# Altium PCB XTIDA-010086.PcbDoc (part 12 of 17)
Units mm, origin at the board's own origin, x right, y up, seen from the top; angles counter-clockwise.
Board outline 375 x 210 mm, 6 copper layers (Top Layer, GND Layer, Signal Layer 1, Signal Layer 2, Power Layer, Bottom Layer), stack 1.575 mm thick; 1884 components, 1036 nets, 4948 pads, 6791 vias.
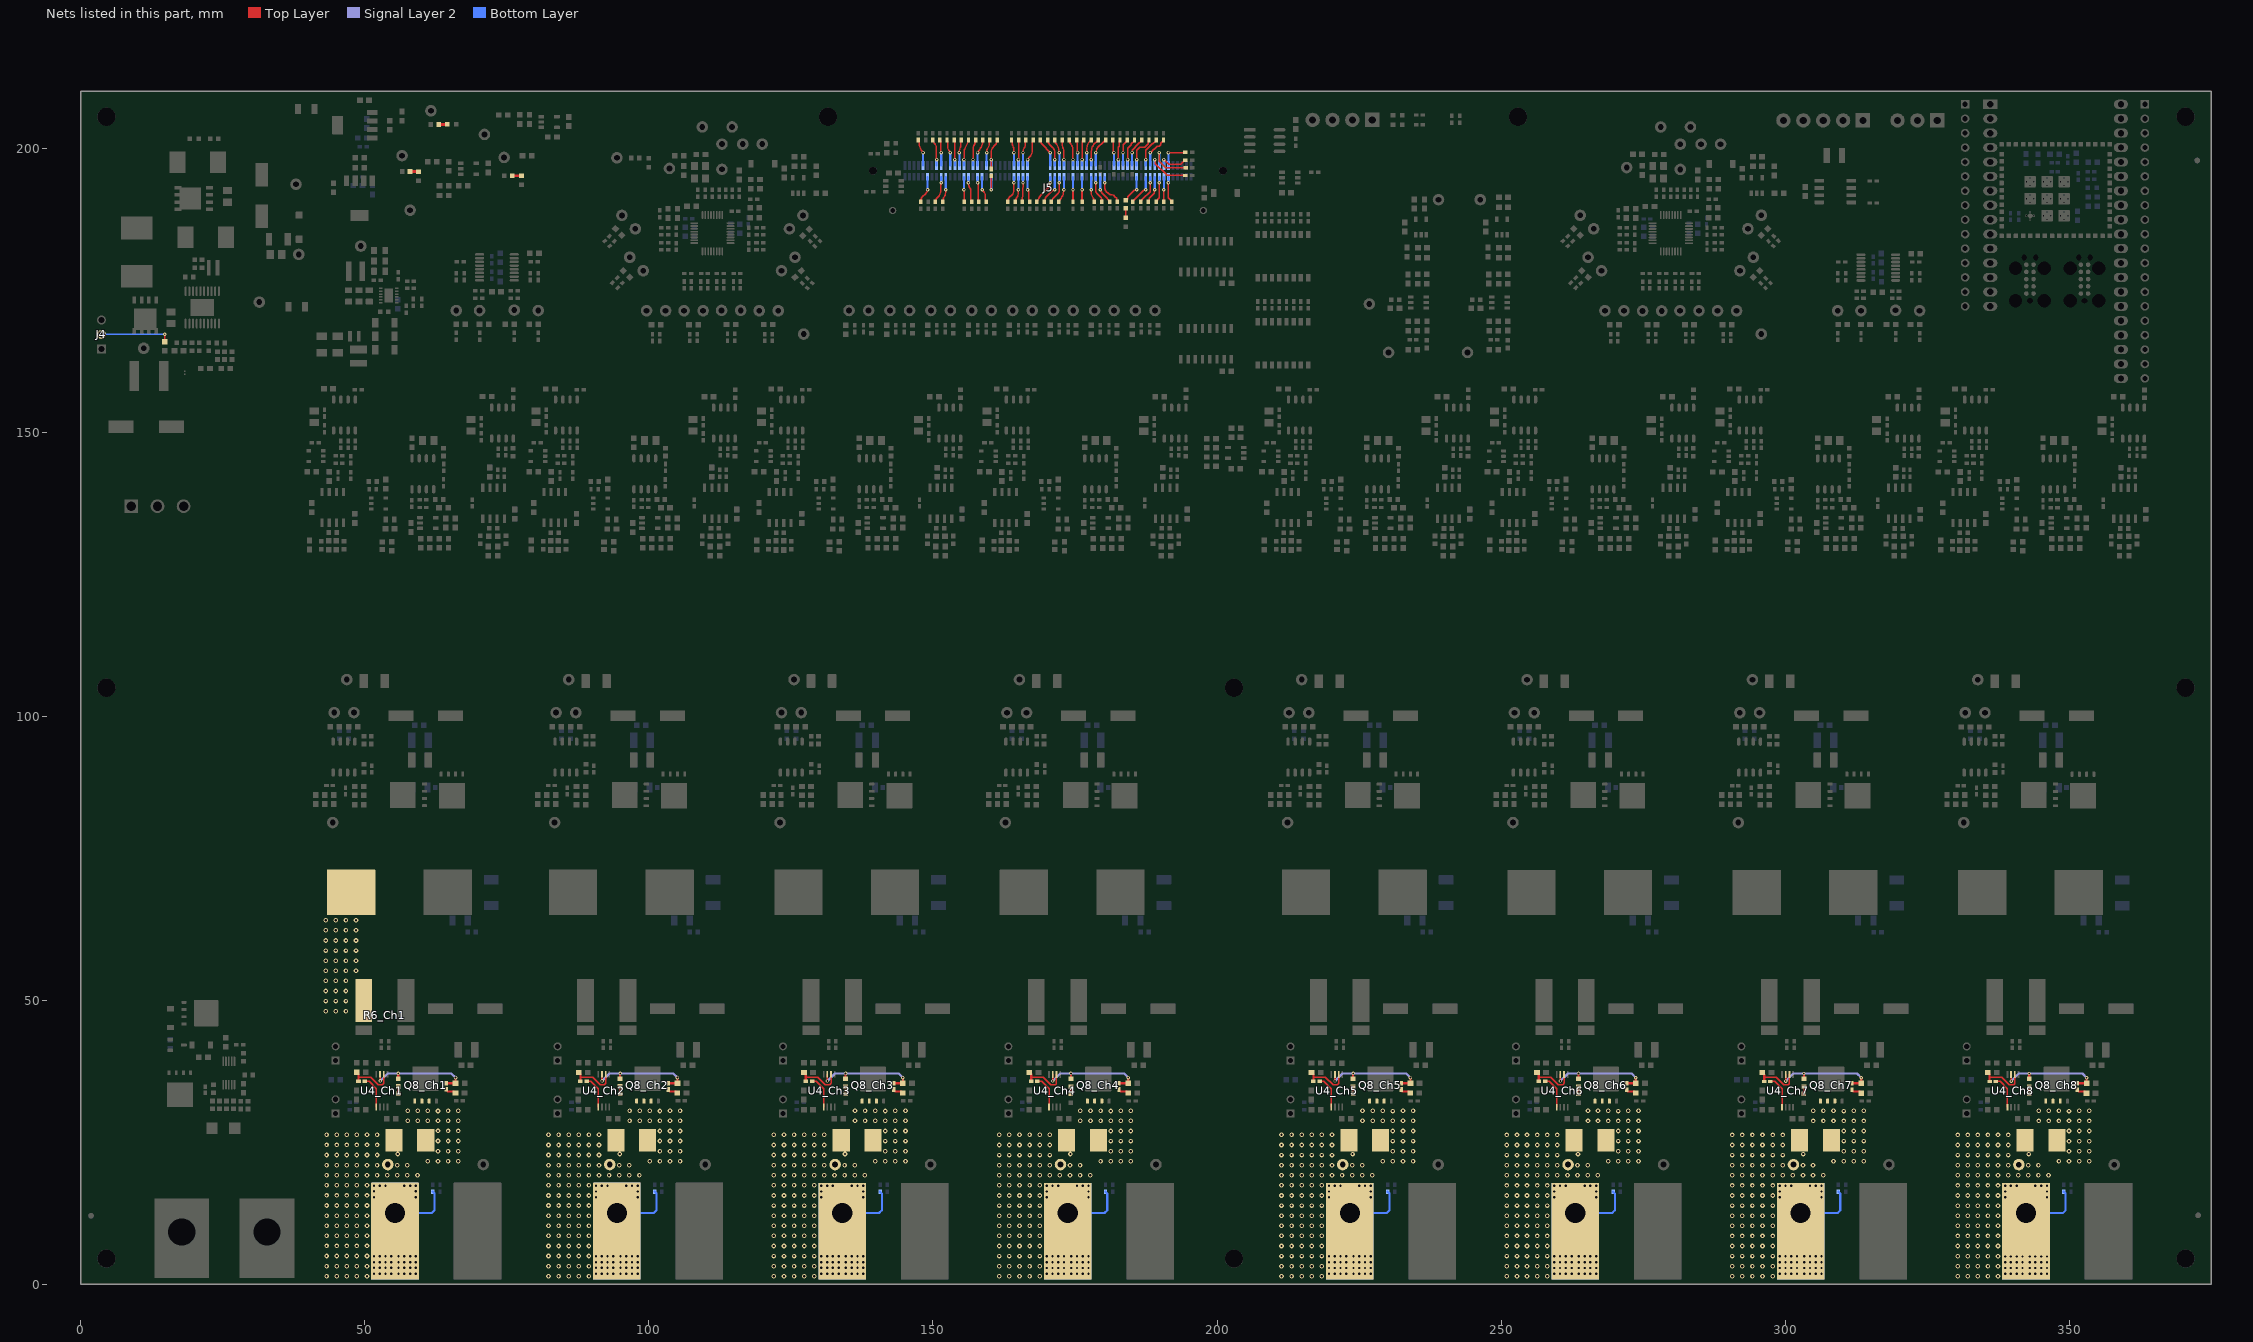
[diagram p16: the nets of this part, all layers, seen from the top]

## Via types
v1: diameter 0.813, hole 0.4, Top Layer to Bottom Layer, tented both sides, 4738 vias
v2: diameter 0.61, hole 0.3, Top Layer to Bottom Layer, tented both sides, 1254 vias
v3: diameter 0.813, hole 0.406, Top Layer to Bottom Layer, 728 vias
v4: diameter 0.5, hole 0.2, Top Layer to Bottom Layer, 40 vias
v5: diameter 5.45, hole 3.556, Top Layer to Bottom Layer, 16 vias
v6: diameter 5/3.65/3.65/3.65/3.65/5 (per signal layer), hole 3.2, Top Layer to Bottom Layer, 12 vias
v7: diameter 0.813, hole 0.4, Top Layer to Bottom Layer, 3 vias

## Nets (pads, with @x,y where several pads share a name; then routed paths per layer and width w, separated by ;. In a path a pad name is that pad's centre, name@x,y a point inside that pad or via, vN(x,y) a via of type N, cw(c..) or ccw(c..) an arc to the next point about the centre after c; other vN are vias at no path point) (continued)
NetD15_2: D15.2 R180.2 | length 1.7
  Top Layer w0.508: R180.2@75.909,195.109 D15.2@77.569,195.109 D15.2@77.582,195.096
NetD17_2: D17.2 R182.2 | length 1.5
  Top Layer w0.508: R182.2@57.94,195.848 D17.2@59.438,195.848
NetD18_2: D18.2 R183.2 | length 1.5
  Top Layer w0.508: R183.2@63.006,204.14 64.463,204.14 D18.2@64.478,204.155
NetD33_2: D33.2 R59.2 | length 1.7
  Top Layer w0.254: D33.2@183.947,187.719 R59.2@183.947,189.394
NetD34_Ch1_1: D34_Ch1.1 R46_Ch1.1 U4_Ch1.6 | length 8.4
  Top Layer w0.254: 48.878,36.322 48.967,36.411 51.006,36.411 52.336,35.08 52.933,35.08 ccw(c52.933,35.465) 53.318,35.465 U4_Ch1.6@53.318,36.927
  Top Layer w0.381: R46_Ch1.1@48.554,37.272 48.878,36.947 48.878,36.322 D34_Ch1.1@48.878,35.697
NetD34_Ch1_2: D34_Ch1.2 U4_Ch1.1 | length 5.8
  Top Layer w0.254: D34_Ch1.2@49.978,35.697 50.732,35.697 52.018,34.411 U4_Ch1.1@52.018,31.186
NetD34_Ch2_1: D34_Ch2.1 R46_Ch2.1 U4_Ch2.6 | length 8.4
  Top Layer w0.254: 87.944,36.32 88.033,36.409 90.071,36.409 91.402,35.078 91.998,35.078 ccw(c91.998,35.463) 92.383,35.463 U4_Ch2.6@92.383,36.925
  Top Layer w0.381: R46_Ch2.1@87.619,37.27 87.944,36.945 87.944,36.32 D34_Ch2.1@87.944,35.695
NetD34_Ch2_2: D34_Ch2.2 U4_Ch2.1 | length 5.8
  Top Layer w0.254: D34_Ch2.2@89.044,35.695 89.797,35.695 91.083,34.409 U4_Ch2.1@91.083,31.184
NetD34_Ch3_1: D34_Ch3.1 R46_Ch3.1 U4_Ch3.6 | length 8.4
  Top Layer w0.254: 127.618,36.318 127.707,36.407 129.746,36.407 131.076,35.076 131.673,35.076 ccw(c131.673,35.461) 132.058,35.461 U4_Ch3.6@132.058,36.923
  Top Layer w0.381: R46_Ch3.1@127.294,37.268 127.618,36.943 127.618,36.318 D34_Ch3.1@127.619,35.693
NetD34_Ch3_2: D34_Ch3.2 U4_Ch3.1 | length 5.8
  Top Layer w0.254: D34_Ch3.2@128.719,35.693 129.472,35.693 130.758,34.407 U4_Ch3.1@130.758,31.182
NetD34_Ch4_1: D34_Ch4.1 R46_Ch4.1 U4_Ch4.6 | length 8.4
  Top Layer w0.254: 167.293,36.316 167.382,36.405 169.421,36.405 170.751,35.074 171.348,35.074 ccw(c171.348,35.459) 171.733,35.459 U4_Ch4.6@171.733,36.921
  Top Layer w0.381: R46_Ch4.1@166.969,37.266 167.293,36.941 167.293,36.316 D34_Ch4.1@167.294,35.691
NetD34_Ch4_2: D34_Ch4.2 U4_Ch4.1 | length 5.8
  Top Layer w0.254: D34_Ch4.2@168.394,35.691 169.147,35.691 170.433,34.405 U4_Ch4.1@170.433,31.18
NetD34_Ch5_1: D34_Ch5.1 R46_Ch5.1 U4_Ch5.6 | length 8.4
  Top Layer w0.254: 216.968,36.314 217.057,36.403 219.096,36.403 220.426,35.072 221.023,35.072 ccw(c221.023,35.457) 221.407,35.457 U4_Ch5.6@221.407,36.919
  Top Layer w0.381: R46_Ch5.1@216.643,37.264 216.968,36.939 216.968,36.314 D34_Ch5.1@216.968,35.689
NetD34_Ch5_2: D34_Ch5.2 U4_Ch5.1 | length 5.8
  Top Layer w0.254: D34_Ch5.2@218.068,35.689 218.821,35.689 220.107,34.403 U4_Ch5.1@220.107,31.178
NetD34_Ch6_1: D34_Ch6.1 R46_Ch6.1 U4_Ch6.6 | length 8.4
  Top Layer w0.254: 256.643,36.312 256.732,36.401 258.77,36.401 260.101,35.07 260.698,35.07 ccw(c260.698,35.455) 261.082,35.455 U4_Ch6.6@261.082,36.917
  Top Layer w0.381: R46_Ch6.1@256.318,37.262 256.643,36.937 256.643,36.312 D34_Ch6.1@256.643,35.687
NetD34_Ch6_2: D34_Ch6.2 U4_Ch6.1 | length 5.8
  Top Layer w0.254: D34_Ch6.2@257.743,35.687 258.496,35.687 259.782,34.401 U4_Ch6.1@259.782,31.176
NetD34_Ch7_1: D34_Ch7.1 R46_Ch7.1 U4_Ch7.6 | length 8.4
  Top Layer w0.254: 296.318,36.31 296.407,36.399 298.445,36.399 299.776,35.068 300.372,35.068 ccw(c300.372,35.453) 300.757,35.453 U4_Ch7.6@300.757,36.915
  Top Layer w0.381: R46_Ch7.1@295.993,37.26 296.318,36.935 296.318,36.31 D34_Ch7.1@296.318,35.685
NetD34_Ch7_2: D34_Ch7.2 U4_Ch7.1 | length 5.8
  Top Layer w0.254: D34_Ch7.2@297.418,35.685 298.171,35.685 299.457,34.399 U4_Ch7.1@299.457,31.174
NetD34_Ch8_1: D34_Ch8.1 R46_Ch8.1 U4_Ch8.6 | length 8.4
  Top Layer w0.254: 335.992,36.308 336.081,36.397 338.12,36.397 339.45,35.066 340.047,35.066 ccw(c340.047,35.451) 340.432,35.451 U4_Ch8.6@340.432,36.913
  Top Layer w0.381: R46_Ch8.1@335.668,37.258 335.992,36.933 335.992,36.308 D34_Ch8.1@335.993,35.683
NetD34_Ch8_2: D34_Ch8.2 U4_Ch8.1 | length 5.8
  Top Layer w0.254: D34_Ch8.2@337.093,35.683 337.846,35.683 339.132,34.397 U4_Ch8.1@339.132,31.172
NetD35_Ch1_1: D35_Ch1.1 R62_Ch1.2 R76_Ch1.1 U4_Ch1.7 | length 18.8
  Top Layer w0.254: U4_Ch1.7@52.668,36.927 52.664,36.922 52.664,35.791 v2(52.682,35.772)
  Top Layer w0.381: R76_Ch1.1@55.867,36.195 v2(55.867,37.1) ; D35_Ch1.1@64.338,35.373 64.344,35.379 65.957,35.379 R62_Ch1.2@65.962,35.384 65.957,35.39 v2(65.957,36.373)
  Signal Layer 2 w0.381: v2(52.682,35.772) 54.01,37.1 v2(55.867,37.1) 65.23,37.1 v2(65.957,36.373)
NetD35_Ch1_2: D35_Ch1.2 R75_Ch1.1 | length 1.9
  Top Layer w0.381: D35_Ch1.2@64.338,34.273 64.338,34.173 64.572,33.939 65.654,33.939 R75_Ch1.1@65.938,33.655
NetD35_Ch2_1: D35_Ch2.1 R62_Ch2.2 R76_Ch2.1 U4_Ch2.7 | length 18.8
  Top Layer w0.254: U4_Ch2.7@91.733,36.925 91.729,36.92 91.729,35.789 v2(91.747,35.77)
  Top Layer w0.381: R76_Ch2.1@94.932,36.193 v2(94.932,37.098) ; D35_Ch2.1@103.403,35.371 103.409,35.377 105.022,35.377 R62_Ch2.2@105.027,35.382 105.022,35.388 v2(105.022,36.371)
  Signal Layer 2 w0.381: v2(91.747,35.77) 93.075,37.098 v2(94.932,37.098) 104.295,37.098 v2(105.022,36.371)
NetD35_Ch2_2: D35_Ch2.2 R75_Ch2.1 | length 1.9
  Top Layer w0.381: D35_Ch2.2@103.403,34.271 103.403,34.171 103.637,33.937 104.719,33.937 R75_Ch2.1@105.004,33.653
NetD35_Ch3_1: D35_Ch3.1 R62_Ch3.2 R76_Ch3.1 U4_Ch3.7 | length 18.8
  Top Layer w0.254: U4_Ch3.7@131.408,36.923 131.404,36.918 131.404,35.787 v2(131.422,35.768)
  Top Layer w0.381: R76_Ch3.1@134.607,36.191 v2(134.607,37.096) ; D35_Ch3.1@143.078,35.369 143.084,35.375 144.697,35.375 R62_Ch3.2@144.702,35.38 144.697,35.386 v2(144.697,36.369)
  Signal Layer 2 w0.381: v2(131.422,35.768) 132.75,37.096 v2(134.607,37.096) 143.97,37.096 v2(144.697,36.369)
NetD35_Ch3_2: D35_Ch3.2 R75_Ch3.1 | length 1.9
  Top Layer w0.381: D35_Ch3.2@143.078,34.269 143.078,34.169 143.312,33.935 144.394,33.935 R75_Ch3.1@144.678,33.651
NetD35_Ch4_1: D35_Ch4.1 R62_Ch4.2 R76_Ch4.1 U4_Ch4.7 | length 18.8
  Top Layer w0.254: U4_Ch4.7@171.083,36.921 171.078,36.916 171.078,35.785 v2(171.097,35.766)
  Top Layer w0.381: R76_Ch4.1@174.282,36.189 v2(174.282,37.094) ; D35_Ch4.1@182.753,35.367 182.758,35.373 184.371,35.373 R62_Ch4.2@184.377,35.378 184.371,35.384 v2(184.371,36.367)
  Signal Layer 2 w0.381: v2(171.097,35.766) 172.425,37.094 v2(174.282,37.094) 183.644,37.094 v2(184.371,36.367)
NetD35_Ch4_2: D35_Ch4.2 R75_Ch4.1 | length 1.9
  Top Layer w0.381: D35_Ch4.2@182.753,34.267 182.753,34.167 182.987,33.934 184.069,33.934 R75_Ch4.1@184.353,33.649
NetD35_Ch5_1: D35_Ch5.1 R62_Ch5.2 R76_Ch5.1 U4_Ch5.7 | length 18.8
  Top Layer w0.254: U4_Ch5.7@220.757,36.919 220.753,36.914 220.753,35.783 v2(220.772,35.764)
  Top Layer w0.381: R76_Ch5.1@223.957,36.187 v2(223.957,37.092) ; D35_Ch5.1@232.428,35.365 232.433,35.371 234.046,35.371 R62_Ch5.2@234.052,35.376 234.046,35.382 v2(234.046,36.365)
  Signal Layer 2 w0.381: v2(220.772,35.764) 222.099,37.092 v2(223.957,37.092) 233.319,37.092 v2(234.046,36.365)
NetD35_Ch5_2: D35_Ch5.2 R75_Ch5.1 | length 1.9
  Top Layer w0.381: D35_Ch5.2@232.428,34.265 232.428,34.165 232.662,33.932 233.744,33.932 R75_Ch5.1@234.028,33.647
NetD35_Ch6_1: D35_Ch6.1 R62_Ch6.2 R76_Ch6.1 U4_Ch6.7 | length 18.8
  Top Layer w0.254: U4_Ch6.7@260.432,36.917 260.428,36.912 260.428,35.781 v2(260.447,35.762)
  Top Layer w0.381: R76_Ch6.1@263.632,36.185 v2(263.632,37.09) ; D35_Ch6.1@272.103,35.363 272.108,35.369 273.721,35.369 R62_Ch6.2@273.727,35.374 273.721,35.38 v2(273.721,36.363)
  Signal Layer 2 w0.381: v2(260.447,35.762) 261.774,37.09 v2(263.632,37.09) 272.994,37.09 v2(273.721,36.363)
NetD35_Ch6_2: D35_Ch6.2 R75_Ch6.1 | length 1.9
  Top Layer w0.381: D35_Ch6.2@272.103,34.263 272.103,34.163 272.337,33.93 273.418,33.93 R75_Ch6.1@273.703,33.645
NetD35_Ch7_1: D35_Ch7.1 R62_Ch7.2 R76_Ch7.1 U4_Ch7.7 | length 18.8
  Top Layer w0.254: U4_Ch7.7@300.107,36.915 300.103,36.91 300.103,35.779 v2(300.121,35.76)
  Top Layer w0.381: R76_Ch7.1@303.307,36.183 v2(303.307,37.088) ; D35_Ch7.1@311.777,35.361 311.783,35.367 313.396,35.367 R62_Ch7.2@313.401,35.372 313.396,35.378 v2(313.396,36.361)
  Signal Layer 2 w0.381: v2(300.121,35.76) 301.449,37.088 v2(303.307,37.088) 312.669,37.088 v2(313.396,36.361)
NetD35_Ch7_2: D35_Ch7.2 R75_Ch7.1 | length 1.9
  Top Layer w0.381: D35_Ch7.2@311.777,34.261 311.777,34.161 312.011,33.928 313.093,33.928 R75_Ch7.1@313.378,33.643
NetD35_Ch8_1: D35_Ch8.1 R62_Ch8.2 R76_Ch8.1 U4_Ch8.7 | length 18.8
  Top Layer w0.254: U4_Ch8.7@339.782,36.913 339.778,36.908 339.778,35.777 v2(339.796,35.758)
  Top Layer w0.381: R76_Ch8.1@342.981,36.181 v2(342.981,37.086) ; D35_Ch8.1@351.452,35.359 351.458,35.365 353.071,35.365 R62_Ch8.2@353.076,35.37 353.071,35.376 v2(353.071,36.359)
  Signal Layer 2 w0.381: v2(339.796,35.758) 341.124,37.086 v2(342.981,37.086) 352.344,37.086 v2(353.071,36.359)
NetD35_Ch8_2: D35_Ch8.2 R75_Ch8.1 | length 1.9
  Top Layer w0.381: D35_Ch8.2@351.452,34.259 351.452,34.159 351.686,33.926 352.768,33.926 R75_Ch8.1@353.052,33.641
NetD36_Ch1_2: D36_Ch1.2 R76_Ch1.2 | length 1.3
  Top Layer w0.381: D36_Ch1.2@55.867,33.521 R76_Ch1.2@55.867,34.795
NetD36_Ch2_2: D36_Ch2.2 R76_Ch2.2 | length 1.3
  Top Layer w0.381: D36_Ch2.2@94.932,33.519 R76_Ch2.2@94.932,34.793
NetD36_Ch3_2: D36_Ch3.2 R76_Ch3.2 | length 1.3
  Top Layer w0.381: D36_Ch3.2@134.607,33.517 R76_Ch3.2@134.607,34.791
NetD36_Ch4_2: D36_Ch4.2 R76_Ch4.2 | length 1.3
  Top Layer w0.381: D36_Ch4.2@174.282,33.515 R76_Ch4.2@174.282,34.789
NetD36_Ch5_2: D36_Ch5.2 R76_Ch5.2 | length 1.3
  Top Layer w0.381: D36_Ch5.2@223.957,33.513 R76_Ch5.2@223.957,34.787
NetD36_Ch6_2: D36_Ch6.2 R76_Ch6.2 | length 1.3
  Top Layer w0.381: D36_Ch6.2@263.632,33.511 R76_Ch6.2@263.632,34.785
NetD36_Ch7_2: D36_Ch7.2 R76_Ch7.2 | length 1.3
  Top Layer w0.381: D36_Ch7.2@303.306,33.509 R76_Ch7.2@303.307,34.783
NetD36_Ch8_2: D36_Ch8.2 R76_Ch8.2 | length 1.3
  Top Layer w0.381: D36_Ch8.2@342.981,33.507 R76_Ch8.2@342.981,34.781
NetF1_Ch1_1: F1_Ch1.1 J1_Ch1.1 R10_Ch1.2 TP5_Ch1.1 | length 10.6
  Bottom Layer w0.381: v5(55.296,12.522) 61.773,12.522 62.268,13.017 62.268,15.974 R10_Ch1.2@61.951,16.291
  other v1: 43.256,1.397 45.034,1.397 46.812,1.397 48.59,1.397 50.368,1.397 43.256,3.175 45.034,3.175 46.812,3.175 48.59,3.175 50.368,3.175 43.256,4.953 45.034,4.953 46.812,4.953 48.59,4.953 50.368,4.953 43.256,6.731 45.034,6.731 46.812,6.731 48.59,6.731 50.368,6.731 43.256,8.509 45.034,8.509 46.812,8.509 48.59,8.509 50.368,8.509 43.256,10.287 45.034,10.287 46.812,10.287 48.59,10.287 50.368,10.287 43.256,12.065 45.034,12.065 46.812,12.065 48.59,12.065 50.368,12.065 43.256,13.843 45.034,13.843 46.812,13.843 48.59,13.843 50.368,13.843 43.256,15.621 45.034,15.621 46.812,15.621 48.59,15.621 50.368,15.621 43.256,17.399 45.034,17.399 46.812,17.399 48.59,17.399 50.368,17.399 43.256,19.177 45.034,19.177 46.812,19.177 48.59,19.177 50.368,19.177 52.146,19.177 53.924,19.177 55.702,19.177 57.48,19.177 59.258,19.177 43.256,20.955 45.034,20.955 46.812,20.955 48.59,20.955 50.368,20.955 52.146,20.955 55.702,20.955 57.48,20.955 43.256,22.733 45.034,22.733 46.812,22.733 48.59,22.733 50.368,22.733 52.146,22.733 55.778,22.911 43.256,24.511 45.034,24.511 46.812,24.511 48.59,24.511 50.368,24.511 52.146,24.511 43.256,26.289 45.034,26.289 46.812,26.289 48.59,26.289 50.368,26.289 52.146,26.289
  other v3: 51.613,1.854 52.629,1.854 53.645,1.854 54.661,1.854 55.931,1.854 56.947,1.854 57.963,1.854 58.979,1.854 51.613,2.87 52.629,2.87 53.645,2.87 54.661,2.87 55.931,2.87 56.947,2.87 57.963,2.87 58.979,2.87 51.613,3.886 52.629,3.886 53.645,3.886 54.661,3.886 55.931,3.886 56.947,3.886 57.963,3.886 58.979,3.886 51.613,4.902 52.629,4.902 53.645,4.902 54.661,4.902 55.931,4.902 56.947,4.902 57.963,4.902 58.979,4.902 51.613,15.316 58.979,15.316 51.613,16.332 58.979,16.332 51.613,17.348 52.629,17.348 53.645,17.348 56.947,17.348 57.963,17.348 58.979,17.348
NetF1_Ch1_2: F1_Ch1.2 Q8_Ch1.1 Q8_Ch1.2 Q8_Ch1.3
  other v1: 61.087,21.641 62.865,21.641 64.643,21.641 66.421,21.641 62.865,23.419 64.643,23.419 66.421,23.419 62.865,25.197 64.643,25.197 66.421,25.197 62.865,26.975 64.643,26.975 66.421,26.975 57.531,28.753 59.309,28.753 61.087,28.753 62.865,28.753 64.643,28.753 66.421,28.753 62.865,30.48 57.531,30.531 59.309,30.531 61.087,30.531 64.643,30.531 66.421,30.531
NetF1_Ch2_1: F1_Ch2.1 J1_Ch2.1 R10_Ch2.2 TP5_Ch2.1 | length 10.6
  Bottom Layer w0.381: v5(94.361,12.52) 100.838,12.52 101.333,13.016 101.333,15.972 R10_Ch2.2@101.016,16.289
  other v1: 82.321,1.395 84.099,1.395 85.877,1.395 87.655,1.395 89.433,1.395 82.321,3.173 84.099,3.173 85.877,3.173 87.655,3.173 89.433,3.173 82.321,4.951 84.099,4.951 85.877,4.951 87.655,4.951 89.433,4.951 82.321,6.729 84.099,6.729 85.877,6.729 87.655,6.729 89.433,6.729 82.321,8.507 84.099,8.507 85.877,8.507 87.655,8.507 89.433,8.507 82.321,10.285 84.099,10.285 85.877,10.285 87.655,10.285 89.433,10.285 82.321,12.063 84.099,12.063 85.877,12.063 87.655,12.063 89.433,12.063 82.321,13.841 84.099,13.841 85.877,13.841 87.655,13.841 89.433,13.841 82.321,15.619 84.099,15.619 85.877,15.619 87.655,15.619 89.433,15.619 82.321,17.397 84.099,17.397 85.877,17.397 87.655,17.397 89.433,17.397 82.321,19.175 84.099,19.175 85.877,19.175 87.655,19.175 89.433,19.175 91.211,19.175 92.989,19.175 94.767,19.175 96.545,19.175 98.323,19.175 82.321,20.953 84.099,20.953 85.877,20.953 87.655,20.953 89.433,20.953 91.211,20.953 94.767,20.953 96.545,20.953 82.321,22.731 84.099,22.731 85.877,22.731 87.655,22.731 89.433,22.731 91.211,22.731 94.844,22.909 82.321,24.509 84.099,24.509 85.877,24.509 87.655,24.509 89.433,24.509 91.211,24.509 82.321,26.287 84.099,26.287 85.877,26.287 87.655,26.287 89.433,26.287 91.211,26.287
  other v3: 90.678,1.852 91.694,1.852 92.71,1.852 93.726,1.852 94.996,1.852 96.012,1.852 97.028,1.852 98.044,1.852 90.678,2.868 91.694,2.868 92.71,2.868 93.726,2.868 94.996,2.868 96.012,2.868 97.028,2.868 98.044,2.868 90.678,3.884 91.694,3.884 92.71,3.884 93.726,3.884 94.996,3.884 96.012,3.884 97.028,3.884 98.044,3.884 90.678,4.9 91.694,4.9 92.71,4.9 93.726,4.9 94.996,4.9 96.012,4.9 97.028,4.9 98.044,4.9 90.678,15.314 98.044,15.314 90.678,16.33 98.044,16.33 90.678,17.346 91.694,17.346 92.71,17.346 96.012,17.346 97.028,17.346 98.044,17.346
NetF1_Ch2_2: F1_Ch2.2 Q8_Ch2.1 Q8_Ch2.2 Q8_Ch2.3
  other v1: 100.152,21.639 101.93,21.639 103.708,21.639 105.486,21.639 101.93,23.417 103.708,23.417 105.486,23.417 101.93,25.195 103.708,25.195 105.486,25.195 101.93,26.973 103.708,26.973 105.486,26.973 96.596,28.751 98.374,28.751 100.152,28.751 101.93,28.751 103.708,28.751 105.486,28.751 101.93,30.478 96.596,30.529 98.374,30.529 100.152,30.529 103.708,30.529 105.486,30.529
NetF1_Ch3_1: F1_Ch3.1 J1_Ch3.1 R10_Ch3.2 TP5_Ch3.1 | length 10.6
  Bottom Layer w0.381: v5(134.036,12.518) 140.513,12.518 141.008,13.014 141.008,15.97 R10_Ch3.2@140.691,16.287
  other v1: 121.996,1.393 123.774,1.393 125.552,1.393 127.33,1.393 129.108,1.393 121.996,3.171 123.774,3.171 125.552,3.171 127.33,3.171 129.108,3.171 121.996,4.949 123.774,4.949 125.552,4.949 127.33,4.949 129.108,4.949 121.996,6.727 123.774,6.727 125.552,6.727 127.33,6.727 129.108,6.727 121.996,8.505 123.774,8.505 125.552,8.505 127.33,8.505 129.108,8.505 121.996,10.283 123.774,10.283 125.552,10.283 127.33,10.283 129.108,10.283 121.996,12.061 123.774,12.061 125.552,12.061 127.33,12.061 129.108,12.061 121.996,13.839 123.774,13.839 125.552,13.839 127.33,13.839 129.108,13.839 121.996,15.617 123.774,15.617 125.552,15.617 127.33,15.617 129.108,15.617 121.996,17.395 123.774,17.395 125.552,17.395 127.33,17.395 129.108,17.395 121.996,19.173 123.774,19.173 125.552,19.173 127.33,19.173 129.108,19.173 130.886,19.173 132.664,19.173 134.442,19.173 136.22,19.173 137.998,19.173 121.996,20.951 123.774,20.951 125.552,20.951 127.33,20.951 129.108,20.951 130.886,20.951 134.442,20.951 136.22,20.951 121.996,22.729 123.774,22.729 125.552,22.729 127.33,22.729 129.108,22.729 130.886,22.729 134.518,22.907 121.996,24.507 123.774,24.507 125.552,24.507 127.33,24.507 129.108,24.507 130.886,24.507 121.996,26.285 123.774,26.285 125.552,26.285 127.33,26.285 129.108,26.285 130.886,26.285
  other v3: 130.353,1.85 131.369,1.85 132.385,1.85 133.401,1.85 134.671,1.85 135.687,1.85 136.703,1.85 137.719,1.85 130.353,2.866 131.369,2.866 132.385,2.866 133.401,2.866 134.671,2.866 135.687,2.866 136.703,2.866 137.719,2.866 130.353,3.882 131.369,3.882 132.385,3.882 133.401,3.882 134.671,3.882 135.687,3.882 136.703,3.882 137.719,3.882 130.353,4.898 131.369,4.898 132.385,4.898 133.401,4.898 134.671,4.898 135.687,4.898 136.703,4.898 137.719,4.898 130.353,15.312 137.719,15.312 130.353,16.328 137.719,16.328 130.353,17.344 131.369,17.344 132.385,17.344 135.687,17.344 136.703,17.344 137.719,17.344
NetF1_Ch3_2: F1_Ch3.2 Q8_Ch3.1 Q8_Ch3.2 Q8_Ch3.3
  other v1: 139.827,21.637 141.605,21.637 143.383,21.637 145.161,21.637 141.605,23.415 143.383,23.415 145.161,23.415 141.605,25.193 143.383,25.193 145.161,25.193 141.605,26.971 143.383,26.971 145.161,26.971 136.271,28.749 138.049,28.749 139.827,28.749 141.605,28.749 143.383,28.749 145.161,28.749 141.605,30.476 136.271,30.527 138.049,30.527 139.827,30.527 143.383,30.527 145.161,30.527
NetF1_Ch4_1: F1_Ch4.1 J1_Ch4.1 R10_Ch4.2 TP5_Ch4.1 | length 10.6
  Bottom Layer w0.381: v5(173.711,12.516) 180.188,12.516 180.683,13.012 180.683,15.968 R10_Ch4.2@180.365,16.285
  other v1: 161.671,1.391 163.449,1.391 165.227,1.391 167.005,1.391 168.783,1.391 161.671,3.169 163.449,3.169 165.227,3.169 167.005,3.169 168.783,3.169 161.671,4.947 163.449,4.947 165.227,4.947 167.005,4.947 168.783,4.947 161.671,6.725 163.449,6.725 165.227,6.725 167.005,6.725 168.783,6.725 161.671,8.503 163.449,8.503 165.227,8.503 167.005,8.503 168.783,8.503 161.671,10.281 163.449,10.281 165.227,10.281 167.005,10.281 168.783,10.281 161.671,12.059 163.449,12.059 165.227,12.059 167.005,12.059 168.783,12.059 161.671,13.837 163.449,13.837 165.227,13.837 167.005,13.837 168.783,13.837 161.671,15.615 163.449,15.615 165.227,15.615 167.005,15.615 168.783,15.615 161.671,17.393 163.449,17.393 165.227,17.393 167.005,17.393 168.783,17.393 161.671,19.171 163.449,19.171 165.227,19.171 167.005,19.171 168.783,19.171 170.561,19.171 172.339,19.171 174.117,19.171 175.895,19.171 177.673,19.171 161.671,20.949 163.449,20.949 165.227,20.949 167.005,20.949 168.783,20.949 170.561,20.949 174.117,20.949 175.895,20.949 161.671,22.727 163.449,22.727 165.227,22.727 167.005,22.727 168.783,22.727 170.561,22.727 174.193,22.905 161.671,24.505 163.449,24.505 165.227,24.505 167.005,24.505 168.783,24.505 170.561,24.505 161.671,26.283 163.449,26.283 165.227,26.283 167.005,26.283 168.783,26.283 170.561,26.283
  other v3: 170.028,1.848 171.044,1.848 172.06,1.848 173.076,1.848 174.346,1.848 175.362,1.848 176.378,1.848 177.394,1.848 170.028,2.864 171.044,2.864 172.06,2.864 173.076,2.864 174.346,2.864 175.362,2.864 176.378,2.864 177.394,2.864 170.028,3.88 171.044,3.88 172.06,3.88 173.076,3.88 174.346,3.88 175.362,3.88 176.378,3.88 177.394,3.88 170.028,4.896 171.044,4.896 172.06,4.896 173.076,4.896 174.346,4.896 175.362,4.896 176.378,4.896 177.394,4.896 170.028,15.31 177.394,15.31 170.028,16.326 177.394,16.326 170.028,17.342 171.044,17.342 172.06,17.342 175.362,17.342 176.378,17.342 177.394,17.342
NetF1_Ch4_2: F1_Ch4.2 Q8_Ch4.1 Q8_Ch4.2 Q8_Ch4.3
  other v1: 179.502,21.635 181.28,21.635 183.058,21.635 184.836,21.635 181.28,23.413 183.058,23.413 184.836,23.413 181.28,25.191 183.058,25.191 184.836,25.191 181.28,26.969 183.058,26.969 184.836,26.969 175.946,28.747 177.724,28.747 179.502,28.747 181.28,28.747 183.058,28.747 184.836,28.747 181.28,30.474 175.946,30.525 177.724,30.525 179.502,30.525 183.058,30.525 184.836,30.525
NetF1_Ch5_1: F1_Ch5.1 J1_Ch5.1 R10_Ch5.2 TP5_Ch5.1 | length 10.6
  Bottom Layer w0.381: v5(223.385,12.514) 229.862,12.514 230.358,13.01 230.358,15.966 R10_Ch5.2@230.04,16.283
  other v1: 211.346,1.389 213.124,1.389 214.902,1.389 216.68,1.389 218.458,1.389 211.346,3.167 213.124,3.167 214.902,3.167 216.68,3.167 218.458,3.167 211.346,4.945 213.124,4.945 214.902,4.945 216.68,4.945 218.458,4.945 211.346,6.723 213.124,6.723 214.902,6.723 216.68,6.723 218.458,6.723 211.346,8.501 213.124,8.501 214.902,8.501 216.68,8.501 218.458,8.501 211.346,10.279 213.124,10.279 214.902,10.279 216.68,10.279 218.458,10.279 211.346,12.057 213.124,12.057 214.902,12.057 216.68,12.057 218.458,12.057 211.346,13.835 213.124,13.835 214.902,13.835 216.68,13.835 218.458,13.835 211.346,15.613 213.124,15.613 214.902,15.613 216.68,15.613 218.458,15.613 211.346,17.391 213.124,17.391 214.902,17.391 216.68,17.391 218.458,17.391 211.346,19.169 213.124,19.169 214.902,19.169 216.68,19.169 218.458,19.169 220.236,19.169 222.014,19.169 223.792,19.169 225.57,19.169 227.348,19.169 211.346,20.947 213.124,20.947 214.902,20.947 216.68,20.947 218.458,20.947 220.236,20.947 223.792,20.947 225.57,20.947 211.346,22.725 213.124,22.725 214.902,22.725 216.68,22.725 218.458,22.725 220.236,22.725 223.868,22.903 211.346,24.503 213.124,24.503 214.902,24.503 216.68,24.503 218.458,24.503 220.236,24.503 211.346,26.281 213.124,26.281 214.902,26.281 216.68,26.281 218.458,26.281 220.236,26.281